# Altium PCB FMC_ADC_128CH_10B.PcbDoc (part 5 of 14)
Units mm, origin at the board's own origin, x right, y up, seen from the top; angles counter-clockwise.
Board outline 76.5 x 69 mm, 8 copper layers (Top Layer, Int1 (Sign), Int2 (GND), Int3 (Sign), Int4 (Sign), Int5 (GND), Int6 (Sign), Bottom Layer), stack 1.433 mm thick; 815 components, 661 nets, 3772 pads, 2072 vias.
Unrouted connection lines stored in the file: 135.
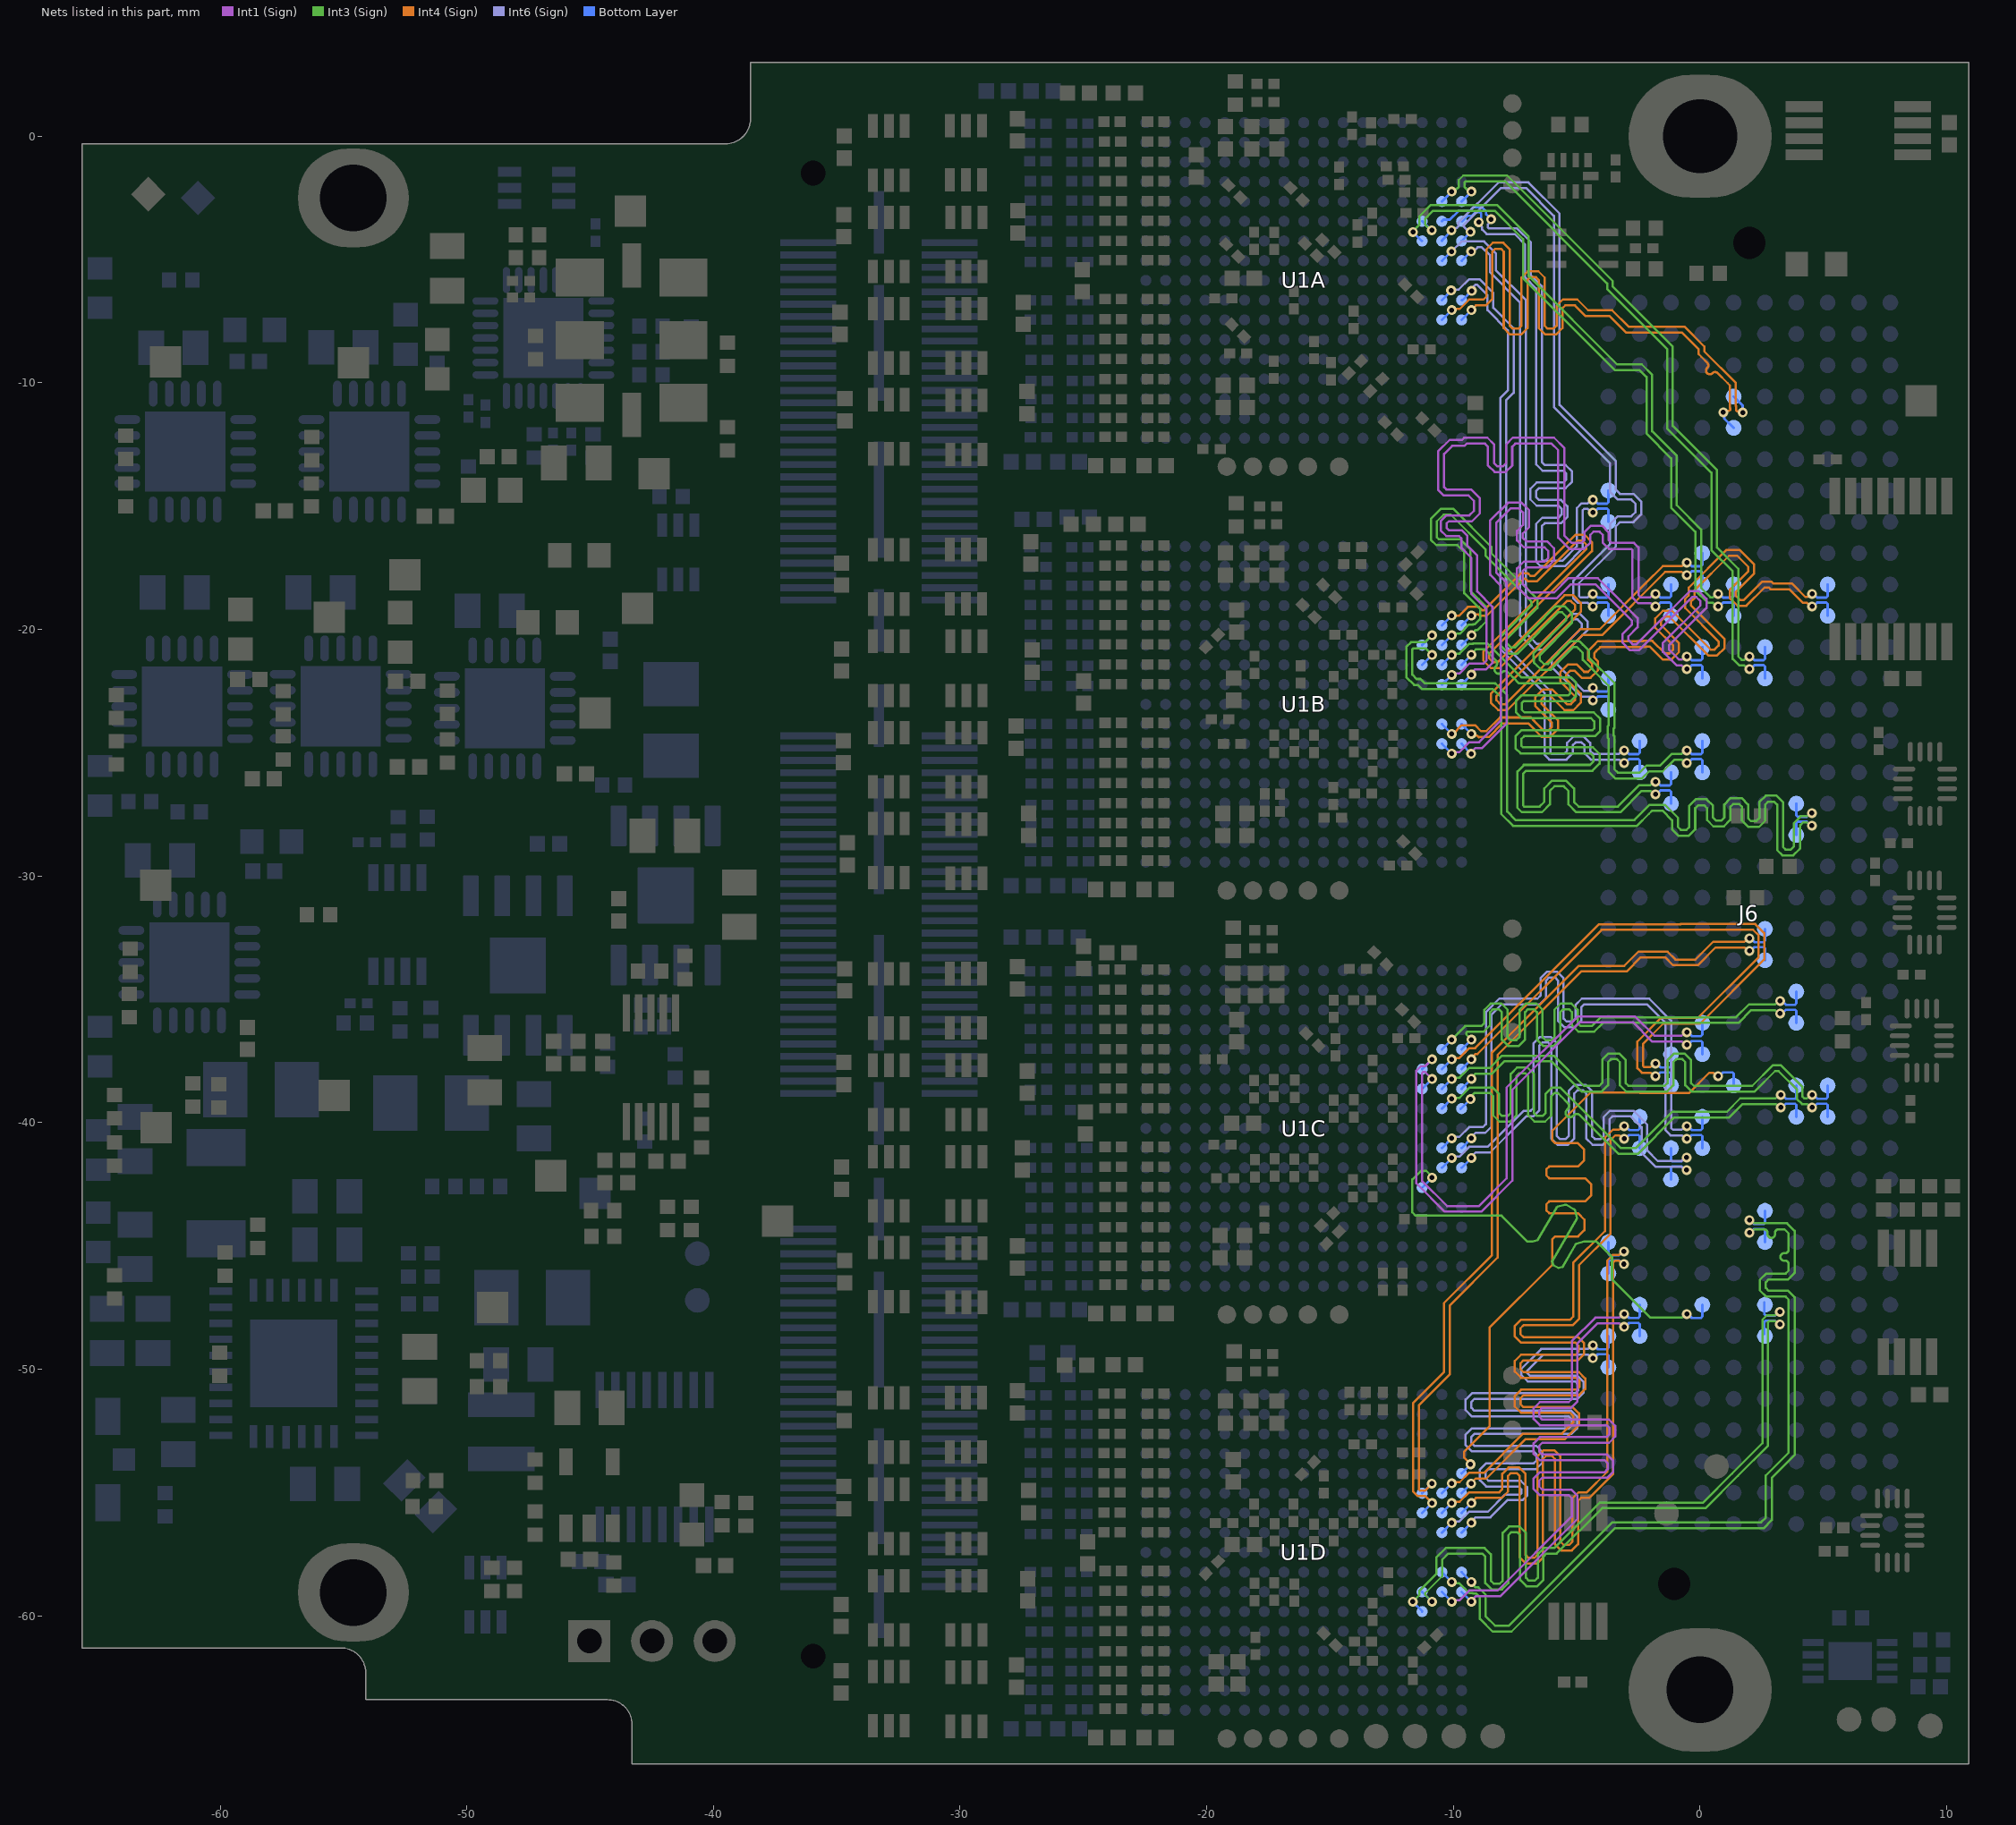
[diagram p11: the nets of this part, all layers, seen from the top]

## Via types
v1: diameter 0.4, hole 0.2, Top Layer to Bottom Layer, tented both sides, 1806 vias
v2: diameter 0.5, hole 0.2, Top Layer to Bottom Layer, tented both sides, 181 vias
v3: diameter 0.6, hole 0.3, Top Layer to Bottom Layer, tented both sides, 81 vias
v4: diameter 0.5, hole 0.3, Top Layer to Bottom Layer, tented both sides, 3 vias
v5: diameter 0.6, hole 0.2, Top Layer to Bottom Layer, tented both sides, 1 vias

## Nets (pads, with @x,y where several pads share a name; then routed paths per layer and width w, separated by ;. In a path a pad name is that pad's centre, name@x,y a point inside that pad or via, vN(x,y) a via of type N, cw(c..) or ccw(c..) an arc to the next point about the centre after c; other vN are vias at no path point) (continued)
DOUT5C_P: J6.g33 U1C.R12 | length 22.5
  Int3 (Sign) w0.091: v1(-10.867,-42.23) -10.867,-42.183 -11.105,-41.945 -11.304,-41.945 -11.664,-42.304 -11.664,-43.638 -11.527,-43.774 -8.045,-43.774 -6.997,-44.822 -6.883,-44.822 -6.786,-44.822 -6.59,-44.771 -5.812,-43.437 -5.779,-43.405 -5.479,-43.326 -5.433,-43.326 -5.103,-43.518 -5.071,-43.55 -4.992,-43.851 -4.992,-43.897 -5.99,-45.608 -5.947,-45.772 -5.74,-45.893 -5.576,-45.85 -5.041,-44.934 -5.009,-44.901 -4.708,-44.822 -4.195,-44.822 -4.149,-44.869 -4.135,-44.882 -4.056,-44.962 -3.57,-45.447 -3.57,-46.344 -2.01,-47.904 -0.747,-47.904 -0.607,-47.764 v1(-0.54,-47.764)
  Bottom Layer w0.1: U1C.R12@-11.267,-42.63 v1(-10.867,-42.23) ; v1(-0.54,-47.764) -0.486,-47.764 -0.331,-47.919 -0.131,-47.919 0.034,-47.919 0.093,-47.861 J6.g33@0.093,-47.384
DOUT5D_N: J6.e34 U1D.R11 | length 31
  Int3 (Sign) w0.091: v1(-10.867,-59.425) -11.144,-59.149 -11.144,-59.075 -10.455,-58.386 -10.455,-57.718 -10.212,-57.475 -9.017,-57.475 -8.83,-57.475 -8.71,-57.595 -8.71,-58.67 -8.455,-58.925 -8.025,-58.925 -7.77,-58.67 -7.77,-56.727 -7.65,-56.607 -7.41,-56.607 -7.29,-56.727 -7.29,-58.547 -7.035,-58.802 -6.605,-58.802 -6.35,-58.547 -6.35,-57.595 -6.23,-57.475 -6.123,-57.475 -5.814,-57.475 -3.972,-55.633 0.221,-55.633 1.53,-54.324 2.76,-53.094 2.76,-48.088 2.807,-48.041 3.033,-48.041 3.173,-48.181 v1(3.24,-48.181)
  Bottom Layer w0.1: U1D.R11@-11.267,-59.025 v1(-10.867,-59.425) ; J6.e34@2.608,-48.561 2.608,-48.084 2.666,-48.026 2.832,-48.026 3.032,-48.026 3.187,-48.181 v1(3.24,-48.181)
DOUT5D_P: J6.e33 U1D.R12 | length 31.3
  Int3 (Sign) w0.091: v1(-11.65,-59.425) -11.374,-59.149 -11.374,-58.98 -10.685,-58.291 -10.685,-57.623 -10.307,-57.245 -9.017,-57.245 -8.735,-57.245 -8.48,-57.5 -8.48,-58.575 -8.36,-58.695 -8.12,-58.695 -8,-58.575 -8,-56.632 -7.745,-56.377 -7.315,-56.377 -7.06,-56.632 -7.06,-58.452 -6.94,-58.572 -6.7,-58.572 -6.58,-58.452 -6.58,-57.5 -6.325,-57.245 -6.123,-57.245 -5.909,-57.245 -4.067,-55.403 0.126,-55.403 1.3,-54.229 2.53,-52.999 2.53,-47.992 2.712,-47.811 3.033,-47.811 3.173,-47.671 v1(3.24,-47.671)
  Bottom Layer w0.1: v1(-11.65,-59.425) -11.65,-59.434 -11.267,-59.817 U1D.R12@-11.267,-59.825 ; J6.e33@2.608,-47.291 2.608,-47.767 2.666,-47.826 2.749,-47.826 3.032,-47.826 3.187,-47.671 v1(3.24,-47.671)
DOUT6A_N: J6.f5 U1A.U11 | length 25.6
  Int4 (Sign) w0.091: v1(-9.267,-7.045) -9.267,-7.036 -9.09,-6.859 -8.679,-6.859 -8.418,-6.597 -8.418,-4.678 -8.304,-4.564 -8.073,-4.564 -7.96,-4.678 -7.96,-7.78 -7.698,-8.041 -7.259,-8.041 -6.998,-7.78 -6.998,-5.829 -6.884,-5.716 -6.653,-5.716 -6.54,-5.829 -6.54,-7.78 -6.279,-8.041 -5.839,-8.041 -5.578,-7.78 -5.578,-6.972 -5.464,-6.859 -5.074,-6.859 -4.639,-7.294 -3.664,-7.294 -2.996,-7.962 -0.729,-7.962 -0.066,-8.625 -0.066,-8.827 0.048,-8.94 0.291,-9.184 cw(c0.186,-9.29) 0.291,-9.395 ; 0.291,-9.396 ccw(c0.396,-9.502) 0.291,-9.607 ccw(c0.396,-9.502) 0.502,-9.607 ; 0.503,-9.607 cw(c0.608,-9.712) 0.714,-9.607 1.119,-10.011 1.21,-10.103 1.21,-10.699 1.21,-11.027 1.221,-11.027 1.221,-11.094 1.174,-11.14 0.996,-11.14 v1(0.939,-11.197)
  Bottom Layer w0.1: U1A.U11@-9.667,-7.445 v1(-9.267,-7.045) ; v1(0.939,-11.197) 0.985,-11.244 0.985,-11.446 J6.f5@1.363,-11.824
DOUT6A_P: J6.f4 U1A.T11 | length 26.5
  Int4 (Sign) w0.091: v1(-10.067,-7.045) -10.027,-7.005 -9.747,-7.005 -9.36,-6.618 -8.886,-6.618 -8.779,-6.618 -8.659,-6.498 -8.659,-4.578 -8.404,-4.323 -7.973,-4.323 -7.719,-4.578 -7.719,-7.68 -7.599,-7.8 -7.359,-7.8 -7.239,-7.68 -7.239,-5.729 -6.984,-5.475 -6.553,-5.475 -6.299,-5.729 -6.299,-7.68 -6.179,-7.8 -5.939,-7.8 -5.819,-7.68 -5.819,-6.872 -5.564,-6.618 -5.177,-6.618 -4.974,-6.618 -4.539,-7.053 -3.565,-7.053 -2.896,-7.721 -0.629,-7.721 0.175,-8.526 0.175,-8.727 1.451,-10.003 1.451,-10.932 1.462,-10.932 1.462,-11.112 1.498,-11.148 1.677,-11.148 v1(1.734,-11.205)
  Bottom Layer w0.1: U1A.T11@-10.467,-7.445 v1(-10.067,-7.045) ; J6.f4@1.363,-10.554 1.726,-10.918 1.726,-11.198 v1(1.734,-11.205)
DOUT6B_N: J6.g13 U1B.U11 | length 33.5
  Int1 (Sign) w0.091: v1(-9.277,-25.04) -9.277,-24.974 -9.118,-24.814 -8.851,-24.814 -7.839,-23.802 -7.839,-18.111 -8.265,-17.686 -8.265,-15.675 -7.686,-15.096 -7.335,-15.096 -7.176,-15.255 -7.176,-15.759 -7.422,-16.004 -7.422,-16.185 -7.422,-16.387 -7.142,-16.667 -6.305,-16.667 -6.16,-16.812 -6.16,-17.102 -6.305,-17.247 -7.142,-17.247 -7.422,-17.527 -7.422,-17.982 -7.422,-18.267 -6.948,-18.74 -5.815,-18.74 -5.243,-18.168 -4.241,-18.168 -3.35,-19.059 -2.772,-19.637 -2.772,-19.807 -3.142,-20.177 -3.142,-20.537 -2.837,-20.842 -2.477,-20.842 -0.322,-18.686 -0.152,-18.686 0.018,-18.856 0.018,-19.026 -1.503,-20.546 -1.503,-20.906 -1.252,-21.157 -0.945,-21.464 -0.747,-21.464 -0.607,-21.604 v1(-0.54,-21.604)
  Bottom Layer w0.1: U1B.U11@-9.667,-24.634 -9.667,-24.642 -9.277,-25.032 v1(-9.277,-25.04) ; v1(-0.54,-21.604) -0.486,-21.604 -0.331,-21.449 -0.048,-21.449 0.034,-21.449 0.093,-21.508 J6.g13@0.093,-21.984
DOUT6B_P: J6.g12 U1B.T11 | length 34.4
  Int1 (Sign) w0.091: v1(-10.067,-25.034) -10.008,-24.974 -9.759,-24.974 -9.369,-24.584 -9.228,-24.584 -9.217,-24.573 -8.954,-24.573 -8.951,-24.573 -8.08,-23.702 -8.08,-18.211 -8.506,-17.785 -8.506,-17.781 ; v1(-0.54,-21.094) -0.607,-21.094 -0.736,-21.223 -0.845,-21.223 -1.011,-21.057 -1.262,-20.807 -1.262,-20.646 0.259,-19.126 0.259,-18.756 -0.052,-18.445 -0.421,-18.445 -2.577,-20.601 -2.737,-20.601 -2.901,-20.438 -2.901,-20.277 -2.531,-19.907 -2.531,-19.538 -3.109,-18.96 -3.25,-18.818 -4.141,-17.927 -5.343,-17.927 -5.915,-18.499 -6.848,-18.499 -7.181,-18.167 -7.181,-17.882 -7.181,-17.626 -7.042,-17.488 -6.205,-17.488 -5.919,-17.202 -5.919,-16.712 -6.205,-16.426 -7.042,-16.426 -7.181,-16.287 -7.181,-16.284 -7.181,-16.104 -6.935,-15.859 -6.935,-15.155 -7.235,-14.855 -7.786,-14.855 -8.506,-15.575 -8.506,-17.586 -8.506,-17.781 ; -8.506,-17.781 -8.495,-17.781 -8.506,-17.781
  Bottom Layer w0.1: U1B.T11@-10.467,-24.634 v1(-10.067,-25.034) ; v1(-0.54,-21.094) -0.486,-21.094 -0.331,-21.249 -0.131,-21.249 0.034,-21.249 0.093,-21.191 J6.g12@0.093,-20.714
DOUT6C_N: J6.h29 U1C.U11 | length 24.3
  Int6 (Sign) w0.091: v1(-9.267,-41.43) -9.267,-41.376 -9.101,-41.21 -8.513,-41.21 -7.213,-39.91 -7.051,-39.748 -6.77,-39.748 -6.515,-39.493 -6.515,-36.871 -6.395,-36.751 -6.155,-36.751 -6.035,-36.871 -6.035,-40.637 -5.78,-40.892 -5.35,-40.892 -5.095,-40.637 -5.095,-38.814 -4.975,-38.694 -4.735,-38.694 -4.615,-38.814 -4.615,-40.637 -4.36,-40.892 -3.93,-40.892 -3.675,-40.637 -3.675,-39.868 -3.555,-39.748 -3.448,-39.748 -2.802,-39.748 -2.37,-40.18 -2.37,-41.222 -1.808,-41.784 -0.751,-41.784 -0.611,-41.924 v1(-0.544,-41.924)
  Bottom Layer w0.1: U1C.U11@-9.667,-41.83 v1(-9.267,-41.43) ; J6.h29@-1.177,-42.304 -1.177,-41.828 -1.118,-41.769 -0.953,-41.769 -0.753,-41.769 -0.598,-41.924 v1(-0.544,-41.924)
DOUT6C_P: J6.h28 U1C.T11 | length 25.2
  Int6 (Sign) w0.091: v1(-10.067,-41.43) -10.013,-41.375 -9.756,-41.375 -9.36,-40.98 -8.608,-40.98 -7.213,-39.585 -7.146,-39.518 -7.105,-39.518 -6.865,-39.518 -6.745,-39.398 -6.745,-36.776 -6.49,-36.521 -6.06,-36.521 -5.805,-36.776 -5.805,-40.542 -5.685,-40.662 -5.445,-40.662 -5.325,-40.542 -5.325,-38.719 -5.07,-38.464 -4.64,-38.464 -4.385,-38.719 -4.385,-40.542 -4.265,-40.662 -4.025,-40.662 -3.905,-40.542 -3.905,-39.772 -3.65,-39.518 -3.448,-39.518 -2.707,-39.518 -2.14,-40.084 -2.14,-41.127 -1.713,-41.554 -0.751,-41.554 -0.611,-41.414 v1(-0.544,-41.414)
  Bottom Layer w0.1: U1C.T11@-10.467,-41.83 v1(-10.067,-41.43) ; J6.h28@-1.177,-41.034 -1.177,-41.511 -1.118,-41.569 -1.036,-41.569 -0.753,-41.569 -0.598,-41.414 v1(-0.544,-41.414)
DOUT6D_N: J6.j34 U1D.U11 | length 30.8
  Int1 (Sign) w0.091: v1(-9.267,-59.425) -9.267,-59.372 -9.101,-59.205 -8.11,-59.205 -4.97,-56.065 -4.97,-55.783 -4.97,-55.134 -5.225,-54.879 -6.399,-54.879 -6.519,-54.759 -6.519,-54.519 -6.399,-54.399 -3.772,-54.399 -3.517,-54.145 -3.517,-53.714 -3.772,-53.459 -6.399,-53.459 -6.519,-53.339 -6.519,-53.099 -6.399,-52.979 -3.689,-52.979 -3.434,-52.725 -3.434,-52.294 -3.689,-52.039 -6.399,-52.039 -6.519,-51.919 -6.519,-51.679 -6.399,-51.559 -5.225,-51.559 -4.97,-51.305 -4.97,-50.392 -4.97,-48.952 -4.152,-48.134 -3.287,-48.134 -3.147,-48.274 v1(-3.08,-48.274)
  Bottom Layer w0.1: U1D.U11@-9.667,-59.025 v1(-9.267,-59.425) ; v1(-3.08,-48.274) -3.026,-48.274 -2.871,-48.119 -2.588,-48.119 -2.506,-48.119 -2.447,-48.178 J6.j34@-2.447,-48.654
DOUT6D_P: J6.j33 U1D.T11 | length 31.7
  Int1 (Sign) w0.091: v1(-10.067,-59.425) -10.013,-59.371 -9.756,-59.371 -9.36,-58.975 -8.205,-58.975 -5.2,-55.97 -5.2,-55.783 -5.2,-55.229 -5.32,-55.109 -6.494,-55.109 -6.749,-54.855 -6.749,-54.424 -6.494,-54.169 -3.867,-54.169 -3.747,-54.049 -3.747,-53.809 -3.867,-53.689 -6.494,-53.689 -6.749,-53.435 -6.749,-53.004 -6.494,-52.749 -3.784,-52.749 -3.664,-52.629 -3.664,-52.389 -3.784,-52.269 -6.494,-52.269 -6.749,-52.015 -6.749,-51.584 -6.494,-51.329 -5.32,-51.329 -5.2,-51.209 -5.2,-50.392 -5.2,-48.857 -4.248,-47.904 -3.287,-47.904 -3.147,-47.764 v1(-3.08,-47.764)
  Bottom Layer w0.1: U1D.T11@-10.467,-59.025 v1(-10.067,-59.425) ; v1(-3.08,-47.764) -3.026,-47.764 -2.871,-47.919 -2.671,-47.919 -2.506,-47.919 -2.447,-47.861 J6.j33@-2.447,-47.384
DOUT7A_N: J6.j16 U1A.U10 | length 26.9
  Int6 (Sign) w0.091: v1(-9.257,-6.268) -9.257,-6.181 -9.16,-6.084 -9.16,-6.072 -9.113,-6.025 -9.034,-6.025 -8.613,-6.446 -8.613,-7.049 -7.789,-7.873 -7.789,-10.305 -8.097,-10.613 -8.097,-20.784 -6.298,-22.583 -6.298,-25.09 -6.114,-25.274 -5.621,-25.274 -5.419,-25.274 -5.164,-25.02 -5.164,-24.697 -5.044,-24.577 -4.804,-24.577 -4.684,-24.697 -4.684,-25.02 -4.429,-25.274 -3.745,-25.274 -3.287,-25.274 -3.147,-25.414 v1(-3.08,-25.414)
  Bottom Layer w0.1: U1A.U10@-9.667,-6.645 -9.634,-6.645 v1(-9.257,-6.268) ; v1(-3.08,-25.414) -3.026,-25.414 -2.871,-25.259 -2.588,-25.259 -2.506,-25.259 -2.447,-25.318 J6.j16@-2.447,-25.794
DOUT7A_P: J6.j15 U1A.T10 | length 27.8
  Int6 (Sign) w0.091: v1(-10.091,-6.253) -10.054,-6.215 -9.783,-6.215 -9.363,-5.795 -8.939,-5.795 -8.383,-6.351 -8.383,-6.954 -7.559,-7.778 -7.559,-10.4 -7.867,-10.708 -7.867,-20.688 -6.068,-22.488 -6.068,-24.995 -6.019,-25.044 -5.621,-25.044 -5.514,-25.044 -5.394,-24.924 -5.394,-24.601 -5.139,-24.347 -4.709,-24.347 -4.454,-24.601 -4.454,-24.924 -4.334,-25.044 -3.745,-25.044 -3.287,-25.044 -3.147,-24.904 v1(-3.08,-24.904)
  Bottom Layer w0.1: U1A.T10@-10.467,-6.645 -10.091,-6.269 v1(-10.091,-6.253) ; v1(-3.08,-24.904) -3.026,-24.904 -2.871,-25.059 -2.671,-25.059 -2.506,-25.059 -2.447,-25.001 J6.j15@-2.447,-24.524
DOUT7B_N: J6.c11 U1B.U10 | length 33.6
  Int4 (Sign) w0.091: v1(-9.267,-24.234) -9.206,-24.295 -9.052,-24.295 -8.973,-24.374 -8.968,-24.374 -8.968,-24.363 -8.563,-24.363 -8.009,-23.81 -6.966,-23.81 -6.427,-24.349 -6.066,-24.349 -5.762,-24.045 -5.762,-23.684 -6.436,-23.011 -6.436,-22.841 -6.266,-22.671 -6.096,-22.671 -5.497,-23.271 -5.137,-23.271 -4.832,-22.966 -4.832,-22.606 -5.431,-22.007 -5.431,-21.837 -5.262,-21.667 -5.092,-21.667 -4.8,-21.959 -4.44,-21.959 -4.135,-21.655 -4.135,-21.295 -4.293,-21.137 -4.293,-20.967 -4.217,-20.891 -4.044,-20.718 -3.088,-20.718 -2.936,-20.718 -2.218,-20.718 -2.201,-20.701 -2.031,-20.701 -1.516,-21.216 -1.156,-21.216 -0.851,-20.911 -0.851,-20.551 -1.579,-19.824 -1.579,-19.654 -1.409,-19.484 -1.239,-19.484 0.33,-21.054 0.691,-21.054 0.995,-20.75 0.995,-20.389 -0.362,-19.032 -0.362,-18.862 -0.286,-18.786 -0.219,-18.719 -0.219,-18.403 1.172,-17.011 1.428,-17.011 1.503,-17.011 1.955,-17.464 1.955,-17.634 1.213,-18.376 1.213,-18.736 1.517,-19.041 1.878,-19.041 2.62,-18.298 2.789,-18.298 2.865,-18.374 3.624,-18.374 4.172,-18.922 4.331,-18.922 4.473,-19.064 v1(4.54,-19.064)
  Bottom Layer w0.1: U1B.U10@-9.667,-23.834 v1(-9.267,-24.234) ; v1(4.54,-19.064) 4.594,-19.064 4.749,-18.909 5.032,-18.909 5.114,-18.909 5.173,-18.968 J6.c11@5.173,-19.444
DOUT7B_P: J6.c10 U1B.T10 | length 34.6
  Int4 (Sign) w0.091: v1(-10.067,-24.234) -10.012,-24.234 -9.662,-23.884 -9.122,-23.884 -8.884,-24.122 -8.873,-24.122 -8.663,-24.122 -8.109,-23.569 -6.866,-23.569 -6.863,-23.572 ; v1(4.54,-18.554) 4.471,-18.554 4.344,-18.681 4.272,-18.681 3.724,-18.133 2.965,-18.133 2.889,-18.057 2.52,-18.057 1.778,-18.8 1.617,-18.8 1.454,-18.636 1.454,-18.476 2.196,-17.734 2.196,-17.364 1.602,-16.77 1.073,-16.77 -0.46,-18.303 -0.46,-18.619 -0.603,-18.762 -0.603,-19.132 0.754,-20.489 0.754,-20.65 0.591,-20.813 0.43,-20.813 -1.14,-19.243 -1.509,-19.243 -1.82,-19.554 -1.82,-19.923 -1.092,-20.651 -1.092,-20.811 -1.256,-20.975 -1.416,-20.975 -1.931,-20.46 -2.301,-20.46 -2.318,-20.477 -4.144,-20.477 -4.317,-20.65 -4.534,-20.867 -4.534,-21.237 -4.376,-21.394 -4.376,-21.555 -4.539,-21.718 -4.7,-21.718 -4.992,-21.426 -5.362,-21.426 -5.672,-21.737 -5.672,-22.106 -5.073,-22.706 -5.073,-22.866 -5.236,-23.03 -5.397,-23.03 -5.996,-22.43 -6.366,-22.43 -6.677,-22.741 -6.677,-23.111 -6.003,-23.784 -6.003,-23.945 -6.166,-24.108 -6.327,-24.108 -6.725,-23.71 -6.863,-23.572 ; -6.863,-23.572 -6.871,-23.58 -6.863,-23.572
  Bottom Layer w0.1: U1B.T10@-10.467,-23.834 v1(-10.067,-24.234) ; v1(4.54,-18.554) 4.594,-18.554 4.749,-18.709 4.949,-18.709 5.114,-18.709 5.173,-18.651 J6.c10@5.173,-18.174
DOUT7C_N: J6.g28 U1C.U10 | length 23.6
  Int6 (Sign) w0.091: v1(-9.267,-40.63) -9.267,-40.576 -9.101,-40.41 -8.709,-40.41 -8.455,-40.156 -8.455,-35.614 -8.04,-35.2 -6.698,-35.2 -6.495,-35.2 -6.24,-34.945 -6.24,-34.235 -6.12,-34.115 -5.88,-34.115 -5.76,-34.235 -5.76,-35.873 -5.505,-36.127 -5.075,-36.127 -4.82,-35.873 -4.82,-35.32 -4.7,-35.2 -4.361,-35.2 -2.159,-35.2 -1.399,-35.96 -1.399,-40.31 -1.195,-40.514 -0.747,-40.514 -0.607,-40.654 v1(-0.54,-40.654)
  Bottom Layer w0.1: U1C.U10@-9.667,-41.03 v1(-9.267,-40.63) ; v1(-0.54,-40.654) -0.486,-40.654 -0.331,-40.499 -0.048,-40.499 0.034,-40.499 0.093,-40.558 J6.g28@0.093,-41.034
DOUT7C_P: J6.g27 U1C.T10 | length 24.5
  Int6 (Sign) w0.091: v1(-10.067,-40.63) -10.013,-40.575 -9.756,-40.575 -9.36,-40.18 -8.804,-40.18 -8.685,-40.06 -8.685,-35.519 -8.136,-34.97 -6.698,-34.97 -6.59,-34.97 -6.47,-34.85 -6.47,-34.14 -6.215,-33.885 -5.785,-33.885 -5.53,-34.14 -5.53,-35.777 -5.41,-35.897 -5.17,-35.897 -5.05,-35.777 -5.05,-35.224 -4.795,-34.97 -4.361,-34.97 -2.064,-34.97 -1.169,-35.865 -1.169,-40.215 -1.099,-40.284 -0.747,-40.284 -0.607,-40.144 v1(-0.54,-40.144)
  Bottom Layer w0.1: U1C.T10@-10.467,-41.03 v1(-10.067,-40.63) ; v1(-0.54,-40.144) -0.486,-40.144 -0.331,-40.299 -0.131,-40.299 0.034,-40.299 0.093,-40.241 J6.g27@0.093,-39.764
DOUT7D_N: J6.e31 U1D.U10 | length 33.2
  Int3 (Sign) w0.091: v1(-9.267,-58.625) -9.267,-58.679 -9.101,-58.845 -8.99,-58.845 -8.687,-59.149 -8.687,-60.021 -8.312,-60.395 -7.742,-60.395 -3.553,-56.207 2.476,-56.207 2.665,-56.017 2.665,-54.304 3.59,-53.379 3.59,-47.177 3.47,-47.057 2.681,-47.057 2.426,-46.802 2.426,-46.371 2.681,-46.117 3.47,-46.117 3.59,-45.997 3.59,-45.742 ccw(c3.441,-45.742) 3.441,-45.593 3.402,-45.593 cw(c3.402,-45.443) 3.252,-45.443 cw(c3.402,-45.443) 3.402,-45.294 3.441,-45.294 ccw(c3.441,-45.144) 3.59,-45.144 3.59,-44.8 3.59,-44.492 3.423,-44.324 3.187,-44.324 ccw(c3.187,-44.474) 3.038,-44.474 3.038,-44.53 cw(c2.888,-44.53) 2.888,-44.679 cw(c2.888,-44.53) 2.739,-44.53 2.739,-44.474 ccw(c2.589,-44.474) 2.589,-44.324 2.245,-44.324 2.207,-44.324 2.067,-44.464 v1(2,-44.464)
  Bottom Layer w0.1: U1D.U10@-9.667,-58.225 v1(-9.267,-58.625) ; v1(2,-44.464) 2.054,-44.464 2.209,-44.309 2.492,-44.309 2.574,-44.309 2.633,-44.368 J6.e31@2.633,-44.844
DOUT7D_P: J6.e30 U1D.T10 | length 34
  Int3 (Sign) w0.091: v1(-10.067,-58.625) -10.013,-58.68 -9.756,-58.68 -9.36,-59.075 -9.212,-59.075 -9.201,-59.086 -9.09,-59.086 -8.928,-59.248 -8.928,-60.12 -8.412,-60.636 -7.642,-60.636 -3.454,-56.448 2.576,-56.448 2.906,-56.117 2.906,-54.403 3.831,-53.478 3.831,-47.077 3.57,-46.816 2.781,-46.816 2.667,-46.702 2.667,-46.471 2.781,-46.358 3.57,-46.358 3.69,-46.238 3.831,-46.096 3.831,-46.092 ; v1(2,-43.954) 2.067,-43.954 2.196,-44.083 2.207,-44.083 3.522,-44.083 3.831,-44.392 3.831,-46.092 ; 3.831,-46.092 3.82,-46.092 3.831,-46.092
  Bottom Layer w0.1: U1D.T10@-10.467,-58.225 v1(-10.067,-58.625) ; v1(2,-43.954) 2.054,-43.954 2.209,-44.109 2.409,-44.109 2.574,-44.109 2.633,-44.051 J6.e30@2.633,-43.574
DOUT8A_N: J6.k14 U1A.U8 | length 26.4
  Int6 (Sign) w0.091: v1(-9.28,-4.672) -9.193,-4.672 -9.019,-4.498 -8.849,-4.498 -8.509,-4.837 -8.509,-5.52 -7.3,-6.729 -7.3,-20.233 -6.86,-20.673 -6.784,-20.749 -6.717,-20.816 -6.357,-20.816 -5.136,-19.596 -4.966,-19.596 -4.797,-19.766 -4.797,-19.935 -6.017,-21.156 -6.017,-21.516 -5.63,-21.903 -5.554,-21.979 -4.806,-22.727 v1@-4.309,-22.727
  Bottom Layer w0.1: U1A.U8@-9.667,-5.045 -9.66,-5.045 -9.287,-4.672 v1(-9.28,-4.672) ; v1(-4.35,-22.874) -4.296,-22.874 -4.141,-22.719 -3.858,-22.719 -3.776,-22.719 -3.717,-22.778 J6.k14@-3.717,-23.254
DOUT8A_P: J6.k13 U1A.T8 | length 27.3
  Int6 (Sign) w0.091: v1(-10.073,-4.672) -9.669,-4.268 -8.754,-4.268 -8.279,-4.742 -8.279,-5.424 -7.07,-6.634 -7.07,-20.138 -6.698,-20.511 -6.622,-20.586 -6.452,-20.586 -5.231,-19.366 -4.871,-19.366 -4.567,-19.67 -4.567,-20.031 -5.787,-21.251 -5.787,-21.421 -5.468,-21.74 -5.392,-21.816 -4.711,-22.497 v1@-4.309,-22.497
  Bottom Layer w0.1: U1A.T8@-10.467,-5.045 -10.457,-5.045 -10.084,-4.672 v1(-10.073,-4.672) ; v1(-4.35,-22.364) -4.296,-22.364 -4.141,-22.519 -3.941,-22.519 -3.776,-22.519 -3.717,-22.461 J6.k13@-3.717,-21.984
DOUT8B_N: J6.h11 U1B.U8 | length 32.2
  Int1 (Sign) w0.091: v1(-9.267,-21.834) -9.267,-21.761 -9.121,-21.615 -8.673,-21.615 -8.413,-21.355 -8.413,-19.081 -9.034,-18.46 -9.034,-16.996 -9.431,-16.599 -9.431,-16.209 -9.667,-15.973 -10.186,-15.973 -10.274,-15.884 -10.274,-15.703 -10.186,-15.615 -9.25,-15.615 -8.925,-15.289 -8.925,-14.682 -9.283,-14.324 -10.288,-14.324 -10.378,-14.233 -10.378,-12.883 -10.05,-12.555 -9.553,-12.555 -9.462,-12.464 -8.721,-12.464 -8.596,-12.589 -8.596,-13.351 -8.33,-13.617 -7.881,-13.617 -7.615,-13.351 -7.615,-12.589 -7.49,-12.464 -7.374,-12.464 -6.019,-12.464 -5.751,-12.732 -5.751,-16.28 -5.296,-16.735 -4.929,-16.735 -4.713,-16.735 -4.448,-16.469 -4.448,-16.159 -4.323,-16.035 -4.073,-16.035 -3.949,-16.159 -3.949,-16.469 -3.683,-16.735 -2.781,-16.735 -2.741,-16.775 -2.741,-17.48 -2.741,-18.708 -2.514,-18.935 -2.006,-18.935 -1.877,-19.064 v1(-1.81,-19.064)
  Int4 (Sign) w0.091: v1(-9.267,-21.834) v1@-9.267,-21.78
  Bottom Layer w0.1: U1B.U8@-9.667,-22.234 v1(-9.267,-21.834) ; v1(-1.81,-19.064) -1.756,-19.064 -1.601,-18.909 -1.318,-18.909 -1.236,-18.909 -1.177,-18.968 J6.h11@-1.177,-19.444
DOUT8B_P: J6.h10 U1B.T8 | length 33
  Int1 (Sign) w0.091: v1(-10.065,-21.84) -10.009,-21.784 -9.757,-21.784 -9.347,-21.374 -8.773,-21.374 -8.654,-21.256 -8.654,-19.181 -9.275,-18.56 -9.275,-17.096 -9.672,-16.699 -9.672,-16.309 -9.767,-16.214 -10.286,-16.214 -10.515,-15.984 -10.515,-15.604 -10.286,-15.374 -9.35,-15.374 -9.166,-15.189 -9.166,-14.782 -9.383,-14.565 -10.388,-14.565 -10.619,-14.333 -10.619,-12.783 -10.15,-12.314 -9.653,-12.314 -9.562,-12.223 -9.462,-12.223 -8.621,-12.223 -8.355,-12.489 -8.355,-13.252 -8.23,-13.376 -7.981,-13.376 -7.856,-13.252 -7.856,-12.489 -7.59,-12.223 -7.374,-12.223 -5.919,-12.223 -5.51,-12.632 -5.51,-16.18 -5.196,-16.494 -4.929,-16.494 -4.813,-16.494 -4.689,-16.369 -4.689,-16.06 -4.423,-15.794 -3.973,-15.794 -3.708,-16.06 -3.708,-16.369 -3.583,-16.494 -2.681,-16.494 -2.5,-16.675 -2.5,-18.608 -2.414,-18.694 -2.017,-18.694 -1.877,-18.554 v1(-1.81,-18.554)
  Bottom Layer w0.1: U1B.T8@-10.467,-22.234 -10.463,-22.234 -10.069,-21.84 v1(-10.065,-21.84) ; v1(-1.81,-18.554) -1.756,-18.554 -1.601,-18.709 -1.401,-18.709 -1.236,-18.709 -1.177,-18.651 J6.h10@-1.177,-18.174
DOUT8C_N: J6.d27 U1C.U8 | length 22.4
  Int3 (Sign) w0.091: v1(-9.307,-39.044) -9.307,-38.958 -9.153,-38.804 -8.917,-38.804 -8.506,-38.804 -8.386,-38.924 -8.386,-39.703 -8.132,-39.958 -7.701,-39.958 -7.446,-39.703 -7.446,-38.113 -7.326,-37.993 -7.086,-37.993 -6.966,-38.113 -6.966,-39.703 -6.712,-39.958 -6.281,-39.958 -6.026,-39.703 -6.026,-38.924 -5.906,-38.804 -5.799,-38.804 -5.763,-38.804 -5.645,-38.922 -5.366,-39.201 cw(c-5.489,-39.324) -5.366,-39.448 -5.402,-39.484 ; -5.402,-39.484 ccw(c-5.278,-39.607) -5.402,-39.731 ccw(c-5.278,-39.607) -5.155,-39.731 -5.119,-39.694 cw(c-4.996,-39.818) -4.872,-39.694 -4.37,-40.196 -3.302,-41.265 -2.517,-41.265 -1.043,-39.79 1.177,-39.79 1.723,-39.244 3.063,-39.244 3.132,-39.313 3.201,-39.313 3.27,-39.244 v1(3.27,-39.384)